# Altium PCB trussy.PcbDoc (part 2 of 3) (continued)
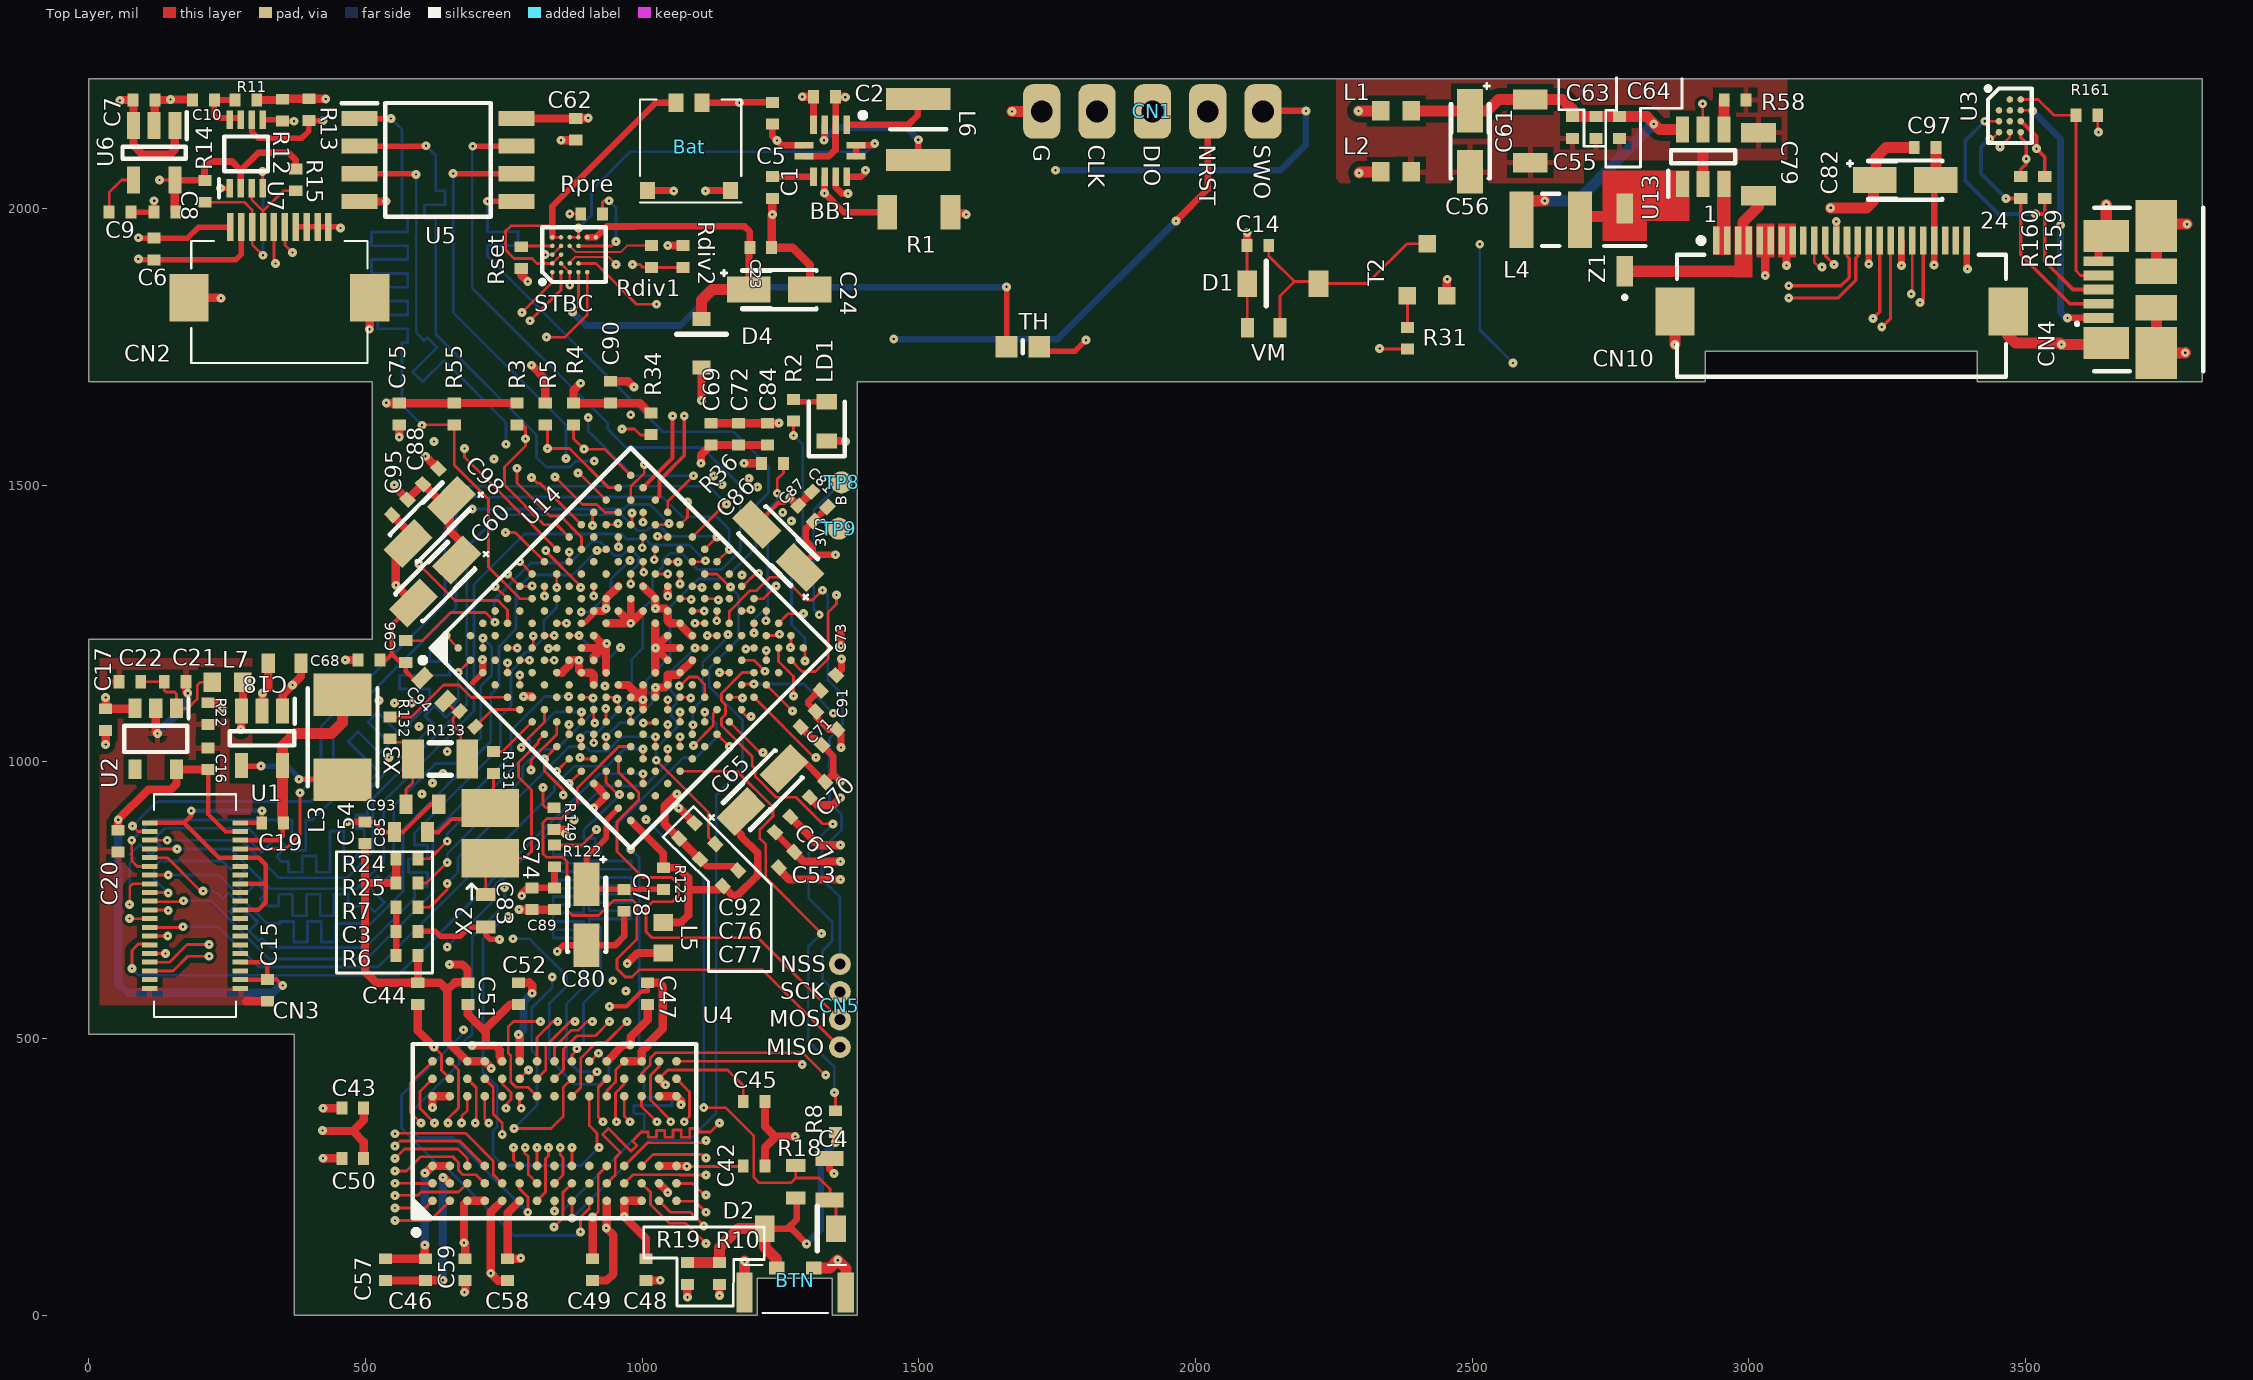
[diagram p0: Top Layer view]
## Nets (pads, with @x,y where several pads share a name; then routed paths per layer and width w, separated by ;. In a path a pad name is that pad's centre, name@x,y a point inside that pad or via, vN(x,y) a via of type N, cw(c..) or ccw(c..) an arc to the next point about the centre after c; other vN are vias at no path point) (continued)
  other v1: 1115.16,217.15
D16: U4.E8 U14.P14 | length 1638.2
  Top Layer w5: U4.E8@747.05,427.17 747.05,418.31 763.17,402.18 763.17,390.05 753.97,380.85 v1(753.97,374.03) ; U14.P14@1246.58,1205.71 1246.58,1181.52 1273.62,1154.48 v1(1273.62,1118.96)
  Internal Signal 2 w5: v1(753.97,374.03) 780.57,347.44 792.32,347.44 797.63,352.74 808.23,363.35 839.64,331.94 850.25,342.55 818.84,373.96 780.02,412.78 790.62,423.39 829.45,384.56 868.27,345.74 878.88,356.35 840.05,395.17 804.26,430.96 814.87,441.57 850.66,405.78 856.3,411.42 900,455.12 900,474.81 931.46,506.27 1011.19,506.27 1039.06,534.14 1062.6,557.68 1196.85,691.93 1196.85,1042.19 v1(1273.62,1118.96)
D17: U4.D7 U14.N14 | length 1699.4
  Top Layer w5: U4.D7@715.55,395.67 715.55,354.67 v1(722.78,347.44) ; U14.N14@1224.31,1227.98 1245.65,1227.98 v1(1248.03,1230.36)
  Internal Signal 2 w5: v1(722.78,347.44) 723.35,346.87 723.35,303.23 738.93,287.65 742.13,287.65 749.63,287.65 764.63,287.65 764.63,260 779.63,260 779.63,287.65 794.63,287.65 794.63,260 809.63,260 809.63,287.65 824.63,287.65 831.69,287.65 1078.99,287.65 1091.17,299.83 1130.54,299.83 1179.13,348.43 1179.13,515.75 1279.53,616.14 1279.53,1042.16 1303.48,1066.11 1303.48,1139.43 1275.86,1167.06 1275.86,1191.44 1286.06,1201.64 1286.06,1219.85 1275.55,1230.36 v1(1248.03,1230.36)
D18: U4.D8 U14.P15 | length 1704.9
  Top Layer w5: U4.D8@715.55,427.17 730.93,411.79 730.93,363.77 747.08,347.61 v1(747.08,326.79) ; v1(1267.78,1206.75) 1268.08,1206.75 1268.85,1207.52 U14.P15@1268.85,1227.98
  Internal Signal 2 w5: v1(747.08,326.79) 751.93,321.94 1088.67,321.94 1161.56,394.83 1161.56,535.58 1253.94,627.95 1253.94,913.39 1253.94,913.84 1235.39,913.84 1235.39,928.84 1253.94,928.84 1269.53,928.84 1269.53,943.84 1253.94,943.84 1235.39,943.84 1235.39,958.84 1253.94,958.84 1269.53,958.84 1269.53,973.84 1253.94,973.84 1235.39,973.84 1235.39,988.84 1253.94,988.84 1269.53,988.84 1269.53,1003.84 1253.94,1003.84 1235.39,1003.84 1235.39,1018.84 1253.94,1018.84 1253.94,1033.84 1253.94,1041.34 1289.12,1076.52 1289.12,1126.97 1258.86,1157.23 1258.86,1196.36 1267.78,1205.28 v1(1267.78,1206.75)
D19: U4.B9 U14.N15 | length 1881.1
  Top Layer w5: v1(649.35,347.44) 649.35,355.06 668.31,374.02 668.31,442.91 U4.B9@652.56,458.66 ; U14.N15@1246.58,1250.25 1264.05,1267.72 v1(1291.34,1267.72)
  Internal Signal 2 w5: v1(649.35,347.44) 649.35,324.83 758.62,215.55 1009.84,215.55 1023.74,201.65 1058.93,201.65 1092.52,235.24 1127.95,235.24 1225.89,333.17 1225.89,490.65 1314.96,579.72 1314.96,677 1308.42,683.54 1308.42,712.23 1314.96,718.77 1314.96,959.65 1329.48,974.16 1329.48,1014.29 1329.72,1014.54 1329.72,1229.33 v1(1291.34,1267.72)
D20: U4.C8 U14.M15 | length 1744
  Top Layer w5: U4.C8@684.06,427.17 700.18,411.04 700.18,349.32 v1(698.3,347.44) ; v1(1223.48,1254.98) 1224.31,1255.81 U14.M15@1224.31,1272.52
  Internal Signal 2 w5: v1(698.3,347.44) 698.66,347.08 698.66,301.18 749.84,250 1083.65,250 1102.35,268.7 1113.19,268.7 1132.87,268.7 1201.77,337.6 1201.77,499.02 1297.24,594.49 1297.24,1026.67 1316.93,1046.35 1316.93,1209.65 1271.59,1254.98 v1(1223.48,1254.98)
D21: U4.A9 U14.E12 | length 1671.6
  Top Layer w5: v1(600.39,347.44) 580.71,367.13 580.71,418.31 U4.A9@621.06,458.66 ; U14.E12@1001.6,1361.61 1001.6,1343.87 v1(1002.95,1342.52)
  Internal Signal 1 w5: v1(600.39,347.44) 586.61,361.22 586.61,504.92 602.36,520.67 602.36,528.17 602.36,543.17 614.87,543.17 614.87,558.17 602.36,558.17 581.85,558.17 581.85,573.17 602.36,573.17 614.87,573.17 614.87,588.17 602.36,588.17 581.85,588.17 581.85,603.17 602.36,603.17 614.87,603.17 614.87,618.17 602.36,618.17 602.36,629.92 v1(602.36,941.93)
  Internal Signal 2 w5: v1(602.36,941.93) 640.75,941.93 666.34,967.52 666.34,1137.35 685.04,1156.05 685.04,1243.11 775.41,1333.48 911.6,1333.48 939.96,1305.12 985.24,1305.12 1002.95,1322.83 v1(1002.95,1342.52)
D22: U4.C7 U14.E13 | length 1831.5
  Top Layer w5: v1(673.82,347.44) 673.82,359.85 684.06,370.08 U4.C7@684.06,395.67 ; v1(1021.7,1365.22) 1022.64,1366.16 1022.64,1382.64 U14.E13@1023.87,1383.88
  Internal Signal 1 w5: v1(639.8,979.3) 678.15,940.95 678.15,557.09 652.56,531.5 652.56,524.61 652.56,460.63 652.56,451.21 614.33,451.21 614.33,436.21 652.56,436.21 702.56,436.21 702.56,421.21 652.56,421.21 614.33,421.21 614.33,406.21 652.56,406.21 702.56,406.21 702.56,391.21 652.56,391.21 652.56,376.21 652.56,368.71 v1(673.82,347.44)
  Internal Signal 2 w5: v1(639.8,979.3) 628.94,990.16 628.94,1246.06 762.8,1379.92 797.24,1379.92 828.68,1348.49 984.31,1348.49 993.39,1357.57 1001.04,1365.22 v1(1021.7,1365.22)
D23: U4.A8 U14.D13 | length 1646.3
  Top Layer w5: U4.A8@621.06,427.17 598.43,404.53 598.43,373.89 v1(624.87,347.44) ; v1(1000.05,1386.88) 1000.98,1387.81 1000.98,1405.53 U14.D13@1001.6,1406.15
  Internal Signal 1 w5: v1(621.09,961.66) 624.87,957.88 624.87,678.15 624.87,668.41 612.36,668.41 612.36,653.41 624.87,653.41 624.87,638.41 624.87,630.91 624.87,625.3 624.87,610.3 642.56,610.3 642.56,595.3 624.87,595.3 624.87,580.3 642.56,580.3 642.56,565.3 624.87,565.3 624.87,550.3 642.56,550.3 642.56,535.3 624.87,535.3 624.87,520.3 624.87,512.8 624.87,510.7 604.33,490.16 604.33,367.98 v1(624.87,347.44)
  Internal Signal 2 w5: v1(621.09,961.66) 621.09,965.39 612.2,974.28 612.2,1258.86 750.8,1397.46 925.39,1397.46 949.63,1373.22 949.98,1373.57 950.64,1372.9 964.44,1372.9 978.41,1386.88 v1(1000.05,1386.88)
D24: U4.A2 U14.E14 | length 1741.8
  Top Layer w5: v1(553.15,238.33) 586.47,238.33 586.61,238.19 U4.A2@621.06,238.19 ; v1@1028.54,1407.48 v1(1027.56,1407.48) 1028.89,1406.15 U14.E14@1046.14,1406.15
  Internal Signal 1 w5: v1(553.15,238.33) 548.32,243.15 520.38,243.15 489.17,274.36 489.17,855.31 500.89,867.04 500.89,915.45 495.08,921.26 495.08,1017.72 v1(583.66,1106.3)
  Internal Signal 2 w5: v1(583.66,1106.3) 593.5,1116.14 593.5,1277.56 766.55,1450.61 958.72,1450.61 993,1416.34 1018.7,1416.34 v1(1027.56,1407.48)
D25: U4.C3 U14.D14 | length 1860.2
  Top Layer w5: v1(553.15,283.04) 570.3,300.2 667.32,300.2 684.06,283.46 U4.C3@684.06,269.68 ; U14.D14@1023.87,1428.42 1046.14,1428.42 v1(1048.52,1430.8)
  Internal Signal 1 w5: v1(542.32,1007.87) 531.5,997.05 531.5,290.72 537.57,284.65 551.54,284.65 v1(553.15,283.04)
  Internal Signal 2 w5: v1(542.32,1007.87) 506.89,1043.31 506.89,1121.06 537.17,1151.34 537.17,1327.52 666.31,1456.67 v1(692.94,1456.67)
  Bottom Layer w5: v1(692.94,1456.67) 966.92,1456.67 975.29,1465.04 1014.28,1465.04 v1(1048.52,1430.8)
D26: U4.A1 U14.C14 | length 1863.1
  Top Layer w5: v1(553.15,193.62) 607.99,193.62 U4.A1@621.06,206.69 ; v1(1001.6,1432.95) 1001.6,1440.95 U14.C14@1001.6,1450.69
  Internal Signal 1 w5: v1(524.61,1111.06) 452.02,1038.48 452.02,252.83 511.24,193.62 v1(553.15,193.62)
  Internal Signal 2 w5: v1(524.61,1111.06) 555.94,1142.4 555.94,1293.12 751.29,1488.46 967.25,1488.46 1002.95,1452.76 1002.95,1434.3 v1(1001.6,1432.95)
D27: U4.C2 U14.C13 | length 1828.9
  Top Layer w5: v1(553.15,215.97) 553.87,216.69 594.65,216.69 600.39,222.44 668.31,222.44 U4.C2@684.06,238.19 ; U14.C13@979.33,1428.42 981.71,1430.8 v1(981.71,1449.54)
  Internal Signal 1 w5: v1(552.19,1106.35) 552.19,1104.03 477.36,1029.2 477.36,920.28 486.22,911.42 486.22,872.05 472.44,858.27 472.44,261.75 511.79,222.41 546.72,222.41 v1(553.15,215.97)
  Internal Signal 2 w5: v1(552.19,1106.35) 554.51,1106.35 574.72,1126.57 574.72,1285.34 759.86,1470.47 960.78,1470.47 v1(981.71,1449.54)
D28: U4.B1 U14.D6 | length 1773.4
  Top Layer w5: v1(553.15,171.26) 617.13,171.26 U4.B1@652.56,206.69 ; U14.D6@845.7,1250.25 855.45,1250.25 v1(863.45,1250.25)
  Internal Signal 1 w5: v1(553.15,171.26) 551.54,172.87 502.64,172.87 438.75,236.76 438.75,289.9 438.73,1047.1 518.19,1126.56 565.76,1126.56 571.07,1131.87 581.67,1142.47 607.22,1116.93 617.82,1127.54 592.28,1153.08 587.43,1157.93 598.03,1168.54 602.89,1163.69 628.43,1138.14 639.04,1148.75 613.49,1174.29 619.7,1180.5 716.76,1277.56 778.03,1277.56 805.34,1250.25 v1(863.45,1250.25)
D29: U4.D2 U14.D4 | length 1739.4
  Top Layer w5: v1(553.15,260.69) 573.84,260.69 599.41,286.26 657.73,286.26 667.93,276.05 667.93,261.81 676.18,253.56 700.18,253.56 U4.D2@715.55,238.19 ; U14.D4@801.16,1205.71 803.19,1207.74 v1(803.19,1227.42)
  Internal Signal 1 w5: v1(553.15,260.69) 549.93,263.9 528.98,263.9 512.8,280.08 512.8,287.58 512.8,302.58 521.5,302.58 521.5,317.58 512.8,317.58 506.06,317.58 506.06,332.58 512.8,332.58 521.5,332.58 521.5,347.58 512.8,347.58 506.06,347.58 506.06,362.58 512.8,362.58 521.5,362.58 521.5,377.58 512.8,377.58 506.06,377.58 506.06,392.58 512.8,392.58 521.5,392.58 521.5,407.58 512.8,407.58 506.06,407.58 506.06,422.58 512.8,422.58 521.5,422.58 521.5,437.58 512.8,437.58 506.06,437.58 506.06,452.58 512.8,452.58 521.5,452.58 521.5,467.58 512.8,467.58 506.06,467.58 506.06,482.58 512.8,482.58 521.5,482.58 521.5,497.58 512.8,497.58 506.06,497.58 506.06,512.58 512.8,512.58 521.5,512.58 521.5,527.58 512.8,527.58 506.06,527.58 506.06,542.58 512.8,542.58 521.5,542.58 521.5,557.58 512.8,557.58 506.06,557.58 506.06,572.58 512.8,572.58 521.5,572.58 521.5,587.58 512.8,587.58 506.06,587.58 506.06,602.58 512.8,602.58 521.5,602.58 521.5,617.58 512.8,617.58 512.8,628.94 512.8,1008.37 652.03,1147.61 652.03,1167.59 692.4,1207.95 692.4,1225.7 705.66,1238.95 718.5,1238.95 724.18,1233.27 797.34,1233.27 v1(803.19,1227.42)
D30: U4.D3 U14.E4 | length 1771.5
  Top Layer w5: v1(553.15,305.4) 562.71,314.96 670.28,314.96 U4.D3@715.55,269.68 ; U14.E4@823.43,1183.44 833.18,1183.44 v1(841.18,1183.44)
  Internal Signal 1 w5: v1(553.15,305.4) 553.15,305.84 571.85,324.54 571.85,677.17 571.85,684.11 563.15,684.11 563.15,699.11 571.85,699.11 592.36,699.11 592.36,714.11 571.85,714.11 563.15,714.11 563.15,729.11 571.85,729.11 592.36,729.11 592.36,744.11 571.85,744.11 563.15,744.11 563.15,759.11 571.85,759.11 592.36,759.11 592.36,774.11 571.85,774.11 563.15,774.11 563.15,789.11 571.85,789.11 592.36,789.11 592.36,804.11 571.85,804.11 563.15,804.11 563.15,819.11 571.85,819.11 592.36,819.11 592.36,834.11 571.85,834.11 563.15,834.11 563.15,849.11 571.85,849.11 592.36,849.11 592.36,864.11 571.85,864.11 563.15,864.11 563.15,879.11 571.85,879.11 592.36,879.11 592.36,894.11 571.85,894.11 563.15,894.11 563.15,909.11 571.85,909.11 592.36,909.11 592.36,924.11 571.85,924.11 563.15,924.11 563.15,939.11 571.85,939.11 571.85,954.11 571.85,961.61 571.85,964.83 641.22,1034.2 643.2,1034.2 738.35,1129.35 738.35,1192.09 745.08,1198.82 758.63,1198.82 767.24,1190.21 781.14,1190.21 789.86,1198.94 803.06,1198.94 817.94,1184.06 840.56,1184.06 v1(841.18,1183.44)
D31: U4.E2 U14.D5 | length 1754.1
  Top Layer w5: v1(553.15,327.76) 554.29,328.9 680.94,328.9 730.93,278.92 730.93,254.31 U4.E2@747.05,238.19 U4.E2@749.02,238.19 ; U14.D5@823.43,1227.98 833.18,1227.98 v1(841.18,1227.98)
  Internal Signal 1 w5: v1(553.15,327.76) 553.15,358.27 553.15,363.76 541.49,363.76 541.49,378.76 553.15,378.76 561.85,378.76 561.85,393.76 553.15,393.76 541.49,393.76 541.49,408.76 553.15,408.76 561.85,408.76 561.85,423.76 553.15,423.76 541.49,423.76 541.49,438.76 553.15,438.76 561.85,438.76 561.85,453.76 553.15,453.76 541.49,453.76 541.49,468.76 553.15,468.76 561.85,468.76 561.85,483.76 553.15,483.76 541.49,483.76 541.49,498.76 553.15,498.76 561.85,498.76 561.85,513.76 553.15,513.76 541.49,513.76 541.49,528.76 553.15,528.76 561.85,528.76 561.85,543.76 553.15,543.76 541.49,543.76 541.49,558.76 553.15,558.76 561.85,558.76 561.85,573.76 553.15,573.76 541.49,573.76 541.49,588.76 553.15,588.76 561.85,588.76 561.85,603.76 553.15,603.76 541.49,603.76 541.49,618.76 553.15,618.76 561.85,618.76 561.85,633.76 553.15,633.76 541.49,633.76 541.49,648.76 553.15,648.76 561.85,648.76 561.85,663.76 553.15,663.76 553.15,671.26 553.15,979.33 665.85,1092.03 728.35,1154.53 728.35,1206.69 742.86,1221.21 787.48,1221.21 796.77,1211.92 815.97,1211.92 832.03,1227.98 v1(841.18,1227.98)
DSI_CK_N: CN10.20 U14.H13 | length 2758.2
  Top Layer w5: U14.H13@1090.69,1317.06 1107.13,1317.06 1108.32,1315.87 v1(1108.32,1315.02)
  Top Layer w6: v1(3308.86,1829.92) 3314.96,1836.01 CN10.20@3314.96,1941.93
  Internal Signal 1 w5: v1(1208.47,1496.25) 1221.46,1509.24 1221.46,1703.74 1342.52,1824.8 2963.58,1824.8 2981.47,1806.91 3151.4,1806.91 3161.72,1817.24 3178.96,1834.47 3267.72,1834.47 3273.22,1828.97 3307.92,1828.97 v1(3308.86,1829.92)
  Internal Signal 2 w4: v1(1108.32,1315.02) 1097.44,1325.91 1097.44,1398.42 1129.92,1430.9 1165.82,1430.9 1187.99,1453.07 1187.99,1475.78 v1(1208.47,1496.25)
DSI_CK_P: CN10.19 U14.H12 | length 2763.6
  Top Layer w5: U14.H12@1068.41,1294.79 1087.21,1294.79 v1(1088.64,1293.37) ; v1(3293.31,1845.47) 3295.27,1847.44 CN10.19@3295.27,1941.93
  Internal Signal 1 w5: v1(1192.91,1511.81) 1210.46,1529.35 1210.46,1708.3 1337.96,1835.8 2968.14,1835.8 2986.03,1817.91 3146.85,1817.91 3174.4,1845.47 v1(3293.31,1845.47)
  Internal Signal 2 w4: v1(1088.64,1293.37) 1088.64,1316.33 1084.44,1320.52 1084.44,1403.8 1124.54,1443.9 1160.43,1443.9 1174.99,1458.46 1174.99,1493.89 v1(1192.91,1511.81)
  Internal Signal 2 w5: v1@1087.82,1294.18 v1(1088.64,1293.37)
DSI_D0_N: CN10.17 U14.J13 | length 2659.3
  Top Layer w5: U14.J13@1112.96,1294.79 v1@1133.36,1294.79
  Top Layer w6: v1(3239.97,1785.62) 3255.9,1801.56 CN10.17@3255.9,1941.93
  Internal Signal 1 w5: v1(1269.54,1435.18) 1269.54,1442.96 1307.09,1480.51 1307.09,1729.33 1357.04,1779.28 3192.47,1779.28 3198.82,1785.62 3216.63,1785.62 3217.58,1784.68 3239.02,1784.68 v1(3239.97,1785.62)
  Internal Signal 2 w4: v1(1137.61,1292.41) 1139.76,1294.56 1139.76,1325.79 1238.65,1424.68 1259.03,1424.68 v1(1269.54,1435.18)
DSI_D0_P: CN10.16 U14.J12 | length 2669.9
  Top Layer w5: U14.J12@1090.69,1272.52 1112.09,1272.52 v1(1112.2,1272.64)
  Top Layer w6: v1(3224.41,1801.18) 3236.22,1812.99 CN10.16@3236.22,1941.93
  Internal Signal 1 w5: v1(1253.99,1450.74) 1261.76,1450.74 1296.09,1485.06 1296.09,1733.89 1352.48,1790.28 3187.92,1790.28 3198.82,1801.18 v1(3224.41,1801.18)
  Internal Signal 2 w4: v1(1112.2,1272.64) 1118.61,1279.04 1118.61,1300.28 1126.76,1308.43 1126.76,1331.17 1233.27,1437.68 1240.92,1437.68 v1(1253.99,1450.74)
DSI_D1_N: CN10.14 U14.F13 | length 2671
  Top Layer w5: U14.F13@1046.14,1361.61 1064.57,1361.61 v1(1064.96,1361.22)
  Top Layer w6: v1(3071.85,1838.24) 3161.21,1838.24 3193.01,1870.03 3193.01,1909.5 3196.85,1913.34 CN10.14@3196.85,1941.93
  Internal Signal 1 w5: v1(1144.49,1501.18) 1145.44,1502.12 1145.44,1566.18 1140.75,1570.87 1140.75,1759.84 1275.59,1894.69 2955.71,1894.69 3012.16,1838.24 v1(3071.85,1838.24)
  Internal Signal 2 w3: v1(1064.96,1361.22) 1064.96,1392.77
  Internal Signal 2 w4: 1064.96,1392.77 1064.96,1402.13 1117.13,1454.29 1117.13,1473.81 v1(1144.49,1501.18)
DSI_D1_P: CN10.13 U14.F12 | length 2685.2
  Top Layer w5: U14.F12@1023.87,1339.34 1046.01,1339.34 v1(1046.31,1339.63)
  Top Layer w6: v1(3071.85,1860.24) 3166.24,1860.24 3181.01,1875 3181.01,1909.5 3177.16,1913.34 CN10.13@3177.16,1941.93
  Internal Signal 1 w5: v1(1128.94,1516.73) 1129.75,1517.54 1129.75,1764.4 1234.37,1869.02 1271.03,1905.69 2960.26,1905.69 3005.71,1860.24 v1(3071.85,1860.24)
  Internal Signal 2 w3: v1(1046.31,1339.63) 1046.4,1339.72 1046.4,1375.78 1046.31,1375.87 1046.31,1401.86
  Internal Signal 2 w4: 1046.31,1401.86 1104.13,1459.68 1104.13,1491.92 v1(1128.94,1516.73)
DSI_TE: CN10.10 U14.P7 | length 3692.2
  Top Layer w5: U14.P7@1090.69,1049.81 1090.69,1066.08 v1(1091.59,1066.98) ; CN10.10@3118.11,1941.93 3118.11,1902.56 3126.88,1893.79 v1(3132.04,1893.79)
  Internal Signal 1 w5: v1(979.38,1627.05) 958.66,1647.76 958.66,1722.44 1005.91,1769.69 1005.91,2025.59 1066.68,2086.37 2970.72,2086.37 3132.04,1925.04 v1(3132.04,1893.79)
  Internal Signal 2 w5: v1(979.38,1627.05) 979.38,1623.08 979.33,1623.03 1029.53,1572.83 1238.19,1572.83 1308.07,1502.95 1308.07,1380.91 1266.28,1339.12 1231.11,1339.12 1206.02,1314.03 1184.11,1314.03 1155.12,1285.04 v1(1155.12,1229.83)
  Bottom Layer w5: v1(1091.59,1066.98) 1091.59,1094.54 1109.25,1112.2 1109.25,1179.73 1155.12,1225.6 v1(1155.12,1229.83)
DSI_VDD12: C81.1 C86.1 C87.2 U14.G13 U14.K12 | length 671.6
  Top Layer w5: v1(1068.41,1321.59) 1068.41,1329.59 U14.G13@1068.41,1339.34 ; v1(1095.21,1250.25) 1103.21,1250.25 U14.K12@1112.96,1250.25
  Top Layer w12: C86.1@1285.04,1350.79 1308.26,1374.02 ; C81.1@1334.91,1460.37 C87.2@1310.06,1435.52 ; v1(1349.41,1374.02) 1308.26,1374.02 ; 1295.28,1420.24 C87.2@1310.06,1435.02 C87.2@1310.06,1435.52 ; 1295.28,1420.24 1295.28,1399.61 1308.26,1386.62 1308.26,1374.02 ; 1295.28,1420.24 1295.28,1420.74 C87.2@1310.06,1435.52
  Internal Signal 1 w5: v1(1068.41,1321.59) 1068.41,1340.07 1119.09,1390.75 1128.71,1390.75 1128.81,1390.65 1142.35,1390.65 1151.08,1399.38 1180.35,1399.38 1207.68,1372.05 1285.43,1372.05 1304.13,1390.75 1332.68,1390.75 v1(1349.41,1374.02)
  Internal Signal 2 w5: v1(1068.41,1321.59) 1068.41,1277.05 v1(1095.21,1250.25)
GND: Bat.2 Bat.3 Bat.4 BB1.2 BB1.6 BB1.9 BTN.2 BTN.3 BTN.4 C1.2 C2.2 C3.2 C4.1 C5.2 C6.1 C7.1 C8.1 C9.1 C10.1 C17.2 C18.1 C19.1 C23.2 C24.2 C42.2 C43.2 C44.2 C45.2 C46.2 C47.2 C48.2 C49.2 C50.2 C51.2 C52.2 C53.2 C54.2 C57.2 C58.2 C59.2 C60.2 C62.2 C65.2 C67.2 C68.2 C69.2 C70.2 C71.2 C72.2 C73.2 C74.2 C75.2 C76.2 C77.1 C78.1 C80.2 C81.2 C82.2 C83.2 C84.2 C85.2 C86.2 C87.1 C88.2 C89.2 C90.2 C91.2 C92.2 C93.2 C94.2 C95.2 C96.2 C97.1 C98.2 CN1.5 CN2.2 CN2.7 CN2.8 CN2.9 CN2.10 CN2.11 CN2.12 CN3.20 CN3.26 CN3.32 CN3.39 CN3.40 CN4.5 CN4.6 CN4.7 CN4.8 CN4.9 CN4.10 CN4.11 CN10.7 CN10.8 CN10.12 CN10.15 CN10.18 CN10.21 CN10.24 CN10.25 CN10.26 L2.1 R5.1 R19.2 R22.2 R122.1 Rdiv2.1 Rpre.1 Rset.2 STBC.A3 STBC.B2 STBC.B4 STBC.C1 T2.2 TH.2 U1.2 U3.D2 U4.A3 U4.B3 U4.B8 U4.C1 U4.D1 U4.E9 U4.F1 U4.L3 U4.L9 U4.M1 U4.N1 U4.P3 U4.P8 U4.R3 U5.4 U6.2 U7.1 U14.F2 U14.F6 U14.F7 U14.F8 U14.F9 U14.F10 U14.G6 U14.G10 U14.G12 U14.H6 U14.H10 U14.J6 U14.J10 U14.K6 U14.K7 U14.K8 U14.K9 U14.K10 U14.L6 U14.M1 U14.N1 | length 8834.9
  Top Layer w4: v1(824.84,1916.43) 824.94,1916.34 STBC.A3@837.6,1916.34 STBC.B4@853.35,1932.09 ; STBC.B2@853.35,1900.59 STBC.C1@869.09,1884.84 v1(869.09,1861.22)
  Top Layer w5: v1(624.02,484.25) 637.19,471.08 637.19,442.54 U4.B8@652.56,427.17 ; v1(869.09,1990.16) Rpre.1@889.09,1990.15 ; v1(910.43,177.17) 920.65,187.38 920.65,254.31 U4.L3@936.02,269.68 ; U4.P8@1030.51,427.17 1046.26,442.91 1154.53,442.91 1182.7,414.74 C45.2@1182.7,385.83 ; v1(1080.71,268.98) 1080.86,268.83 1181.84,268.83 C42.2@1182.7,269.68 ; v1(3453.74,2111.22) 3471.46,2128.94 U3.D2@3471.46,2137.8
  Top Layer w8: CN3.39@110.04,889.76 172.24,889.76 ; v1(185.04,911.42) 185.04,902.56 172.24,889.76 ; CN3.20@273.82,732.28 306.1,732.28 319.88,746.06 319.88,779.53 ; CN3.26@273.82,779.53 319.88,779.53 ; CN3.40@273.82,889.76 C19.1@312.62,889.76 312.62,911.05 v1(312.99,911.42) ; C54.2@499.02,891.36 515.13,891.36 533.46,873.04 C85.2@552.66,873.04 567.92,873.04 618.1,923.22 C93.2@632.38,923.22 ; C68.2@526.2,1184.06 536.42,1184.06 547.24,1194.88 ; C60.2@587.01,1286.81 547.24,1247.05 547.24,1194.88 ; C94.2@602.58,1151.36 593.29,1151.36 590.55,1148.62 587.6,1148.62 572.83,1163.39 C96.2@572.83,1179.5 562.62,1179.5 547.24,1194.88 ; C86.2@1207.09,1428.74 1246.09,1467.74 1256.84,1467.74 v1(1266.6,1477.5) ; 172.24,889.76 235.24,826.77 CN3.32@273.82,826.77 307.09,826.77 319.88,813.98 319.88,779.53
  Top Layer w10: C9.1@76.16,1993.11 C8.1@117.74,1993.11 118.12,1993.49 v1(118.12,2013.88) ; v1(89.57,1908.46) 90.92,1907.11 C6.1@118.11,1907.11 265.38,1907.11 275.59,1917.32 CN2.2@275.59,1966.54 ; v1(238.19,2036.42) U7.1@254.92,2036.42 ; CN2.7@374.02,1966.54 CN2.8@393.7,1966.54 CN2.9@413.39,1966.54 CN2.10@433.07,1966.54 452.76,1966.54 v1(454.72,1964.57) ; C3.2@594.8,693.4 626.48,693.4 634.84,685.04 671.26,685.04 687.5,701.28 C83.2@717.51,701.28 717.51,687.01 725.36,679.17 v1(742.16,679.17) ; TH.2@1717.52,1750 1725.39,1742.13 1782.48,1742.13 v1(1802.25,1761.9)
  Top Layer w12: v1(467.52,891.73) 467.89,891.36 C54.2@499.02,891.36 ; C46.2@606.3,101.99 C46.2@607.28,102.98 ; v1(782.52,757.91) 782.52,762.83 791.95,772.27 C74.2@801.18,772.27 C89.2@841.54,772.27 R122.1@841.54,810.35 R122.1@841.48,810.41 ; v1(846.46,657.48) 857.28,668.31 950.79,668.31 967.52,685.04 C78.1@967.52,729.94 ; Bat.3@1009.84,2032.36 1056.22,2032.36 v1(1057.09,2031.5) ; C76.2@1104.31,823.8 1117.09,811.02 1165.88,811.02 C77.1@1173.49,803.41 ; Bat.2@1108.27,2190.83 1176.06,2190.83 v1(1176.18,2190.95) 1176.8,2191.56 C5.2@1235.24,2191.56 ; v1(1114.17,2031.5) 1115.04,2032.36 Bat.4@1159.45,2032.36 ; C53.2@1247.03,806.12 C53.2@1247.03,809.04 ; C65.2@1256.49,987.79 1272.64,1003.94 1289.37,1003.94 1329.71,963.6 C70.2@1330.73,963.6 1344.98,977.85 ; C71.2@1286.4,1062.97 1307.05,1042.32 1312.96,1042.32 C91.2@1324.78,1030.49 1344.98,1010.3 1344.98,977.85 ; BB1.6@1292.57,2094.33 1337.44,2094.33 1349.41,2106.3 1349.41,2151.17 BB1.2@1349.57,2151.33 1349.57,2201.24 C2.2@1349.04,2201.77 ; C4.1@1338.56,283.1 1338.56,263.8 v1(1346.46,255.91) ; BB1.9@1349.57,2057.33 1349.57,2038.23 1360.92,2026.87 v1(1371.8,2026.87) ; C73.2@1350.41,1156.51 1360.24,1166.34 v1(1360.24,1186.02) ; v1(1358.27,964.57) 1344.98,977.85 ; CN10.12@3157.48,1941.93 3157.48,1976.32 v1(3157.63,1976.47) ; v1(3216.54,1899.61) CN10.15@3216.53,1941.93 ; v1(3275.59,1896.65) CN10.18@3275.59,1941.93 ; v1(3334.65,1897.64) CN10.21@3334.64,1941.93 3334.64,2048.23 C82.2@3337.97,2051.55 ; CN10.24@3393.7,1941.93 3393.7,1891.73 v1(3394.69,1890.75)
  Top Layer w13.78: v1(912.52,916.18) U14.N1@934.79,938.46 ; v1(979.33,1250.25) U14.F10@979.33,1294.79 ; v1(1023.87,1205.71) U14.K9@1046.14,1183.44 ; 1046.14,1307.32 U14.G12@1046.14,1317.06
  Top Layer w15: v1(30.51,1031.5) C17.2@30.51,1056.47 ; U6.2@118.11,2149.61 119.46,2150.96 C7.1@119.46,2195.87 146.65,2195.87 v1(147.64,2196.85) 186.64,2196.85 C10.1@187.62,2195.87 ; CN2.11@181.1,1838.58 238.19,1838.58 v1(239.17,1837.6) ; R22.2@215.56,1106.61 230.99,1106.61 v1(241.14,1096.46) ; U1.2@312.99,1091.54 311.02,1093.5 313.99,1096.47 v1(313.99,1124.07) 324.31,1134.39 C18.1@324.31,1178.14 ; v1(422.24,333.66) 423.23,332.68 477.36,332.68 ; U5.4@489.17,2012.6 537.2,2012.6 v1(537.4,2012.8) ; C50.2@496.68,283.46 496.68,313.36 477.36,332.68 ; C43.2@496.68,374.02 496.68,351.99 477.36,332.68 ; v1(506.89,1781.5) 507.87,1782.48 CN2.12@507.87,1838.58 ; C57.2@536.42,101.99 C46.2@606.3,101.99 ; C95.2@548.21,1445.85 577.17,1416.89 C98.2@577.17,1394.1 571.26,1394.1 554.92,1377.76 v1(554.92,1318.9) C60.2@587.01,1286.81 ; v1(561.02,1586.61) C75.2@561.02,1608.64 ; C44.2@594.49,561.39 594.49,513.78 v1(624.02,484.25) ; C46.2@607.28,102.98 v1(607.28,126.97) ; v1(607.28,256.89) 608.27,256.89 U4.A3@621.06,269.68 U4.B3@652.56,269.68 ; v1(608.3,1552.24) 623.12,1537.42 C88.2@626.99,1537.42 ; C59.2@680.12,101.99 680.12,128.94 v1(678.15,130.91) 678.15,200.79 U4.C1@684.06,206.69 U4.D1@715.55,206.69 ; C51.2@685.04,561.39 685.04,543.31 717.52,510.83 ; v1(692.47,487.21) 717.52,487.21 ; U4.E9@747.05,458.66 743.84,458.66 743.84,466.95 742.87,467.91 742.87,479.04 734.7,487.21 717.52,487.21 ; C52.2@776.57,561.39 761.2,561.39 717.52,517.72 717.52,510.83 ; U4.F1@778.54,206.69 756.89,185.04 C58.2@756.89,101.99 779.16,101.99 v1(780.51,103.35) ; Rset.2@781.49,1891.42 781.49,1879.93 v1(793.31,1868.11) ; v1(785.47,1118.16) 799.62,1118.16 U14.F2@801.16,1116.63 ; v1(800.24,1716.62) 824.81,1692.05 R5.1@824.81,1648.31 ; v1(853.35,2123.03) 853.72,2123.4 C62.2@879.92,2123.4 ; U14.F6@890.25,1205.71 928.15,1205.71 912.52,1190.08 U14.G6@912.52,1183.44 ; C49.2@910.43,101.99 v1(910.43,177.17) ; U14.M1@912.52,960.73 U14.N1@934.79,938.46 ; U14.F7@912.52,1227.98 926.91,1213.58 v1(936.02,1213.58) 934.79,1212.35 U14.H6@934.79,1161.17 ; U14.F8@934.79,1250.25 v1(979.33,1250.25) ; U4.L9@936.02,458.66 965.58,488.21 v1(978.39,488.21) 979.33,489.15 979.33,502.95 1009.84,533.46 C47.2@1009.84,561.39 ; C90.2@942.91,1687.62 974.78,1687.62 v1(985.24,1677.17) ; U14.J6@957.06,1138.9 974.8,1138.9 v1@997.08,1116.62 ; U14.F9@957.06,1272.52 v1(979.33,1250.25) ; U14.K6@979.33,1116.62 v1@997.08,1116.62 ; U4.N1@999.02,206.69 U4.M1@967.52,206.69 967.52,178.21 v1(967.57,178.16) 1006.89,138.84 C48.2@1006.89,101.99 ; U14.L6@1001.6,1094.35 v1(1001.6,1112.1) ; U14.K7@1001.6,1138.89 v1(1001.6,1112.1) ; U14.G10@1001.6,1272.52 v1(979.33,1250.25) ; U14.K8@1023.87,1161.17 v1(1023.87,1205.71) ; U14.H10@1023.87,1250.25 v1(1023.87,1205.71) ; U4.P3@1030.51,269.68 U4.R3@1062.01,269.68 1080,269.68 v1(1080.71,268.98) ; U4.P8@1030.51,427.17 1030.83,427.17 1041.63,416.36 v1(1042.37,416.36) ; U14.J10@1046.14,1227.98 v1(1023.87,1205.71) ; v1(1046.14,1299.32) v1@1046.14,1307.32 ; v1(1046.26,1933.08) 1073.49,1933.08 Rdiv2.1@1073.81,1932.76 ; v1(1063.04,941.98) 1062.59,941.98 1040.35,919.74 1040.35,887.76 C92.2@1066.91,861.2 C76.2@1104.31,823.8 ; U14.K10@1068.42,1205.71 v1(1023.87,1205.71) ; v1(1081.69,32.48) R19.2@1081.69,55.79 ; C69.2@1124.02,1611.83 C72.2@1174.21,1611.83 C84.2@1226.38,1611.83 1246.66,1611.83 v1(1247.11,1612.28) ; C86.2@1207.09,1428.74 1223.43,1412.4 C86.2@1233.27,1412.4 ; C1.2@1235.24,2018.09 v1(1235.24,1988.87) 1233.88,1987.52 C23.2@1233.88,1929.13 1271.65,1929.13 1303.15,1897.64 C24.2@1303.15,1853.35 ; C53.2@1247.03,806.12 1265.75,787.4 v1(1358.27,787.4) ; v1(1266.6,1477.5) 1281.23,1462.86 C87.1@1282.22,1462.86 1307.07,1487.71 C81.2@1307.07,1488.21 ; C67.2@1267.73,900.61 1318.93,849.41 v1(1358.27,849.41) ; C2.2@1349.04,2201.77 1366.14,2201.77 v1(1367.13,2200.79) ; T2.2@2453.74,1842.36 2453.74,1871.06 v1(2454.72,1872.05) ; v1(3067.91,1896.65) 3067.91,1944.88 ; CN4.5@3631.5,1904.53 3631.5,1935.73 CN4.6@3645.67,1949.9 ; 717.52,487.21 717.52,510.83 ; v1@997.08,1116.62 v1(1001.6,1112.1)
  Top Layer w20: BTN.3@1185.04,40.87 v1(1185.04,97.44) ; BTN.2@1310.04,85.16 1339.09,85.16 v1(1353.35,99.41) 1368.11,84.65 BTN.4@1368.11,40.87 ; v1(1668.31,2175.2) CN1.5@1722.05,2175.2 ; v1(2295.28,2063.98) 2297.24,2065.95 L2.1@2334.65,2065.95 ; v1(2866.14,1753.94) CN10.25@2866.14,1813.98 ; C82.2@3337.97,2051.55 C97.1@3337.97,2110.24 ; CN10.26@3468.5,1813.98 3468.5,1769.69 3481.3,1756.89 3562.01,1756.89 v1(3564.96,1753.94) 3642.82,1753.94 CN4.7@3645.67,1756.79 ; CN4.6@3645.67,1949.9 v1(3645.67,2006.89) ; CN4.8@3736.22,1820.37 CN4.10@3736.22,1738.68 3787.89,1738.68 v1(3788.39,1739.17) ; CN4.9@3736.22,1886.32 CN4.11@3736.22,1968.01 3739.67,1971.46 v1(3791.34,1971.46)
  Bottom Layer w8: v1(185.04,911.42) v1(312.99,911.42)
  Bottom Layer w15: v1(607.28,126.97) v1(607.28,256.89)
  other v1: 596.7,1063.6
HREF: CN3.15 U14.N4 | length 1108
  Top Layer w5: CN3.15@110.04,700.79 169.27,700.79 v1(170.28,701.81) ; U14.N4@1001.6,1005.27 1001.6,1015.01 v1(1001.6,1023.01)
  Bottom Layer w5: v1(170.28,701.81) 234.22,701.81 307.09,628.94 522.64,628.94 841.33,947.63 841.33,956 877.48,992.15 937.67,992.15 968.53,1023.01 v1(1001.6,1023.01)
I2C1_SCL: R13.1 U7.6 U14.A7 | length 1372.2
  Top Layer w5: v1(778.89,1361.61) U14.A7@801.16,1339.34
  Top Layer w10: U7.6@294.29,2160.43 294.29,2138.78 306.1,2126.97 384.84,2126.97 397.64,2139.77 R13.1@397.64,2158.77 422.92,2158.77 v1(423.23,2158.46)
  Internal Signal 1 w5: v1(423.23,2158.46) 423.23,2079.72 288.39,1944.88 288.39,1891.73 335.63,1844.49 514.76,1844.49 710.63,1648.62 710.63,1429.87 v1(778.89,1361.61)
I2C1_SDA: R12.1 U7.5 U14.B4 | length 1359.8
  Top Layer w5: v1(596.46,1357.28) 596.46,1356.3 661.42,1291.34 740.16,1291.34 742.23,1289.27 742.23,1288.83 756.62,1274.44 U14.B4@756.62,1250.25
  Top Layer w10: U7.5@313.98,2160.43 347.76,2160.43 R12.1@350.4,2157.79 370.88,2157.79 v1(371.08,2157.59)
  Internal Signal 1 w5: v1(371.08,2157.59) 372.05,2156.62 372.05,2076.77 258.86,1963.58 258.86,1873.03 375,1756.89 536.42,1756.89 583.66,1709.65 583.66,1370.08 v1(596.46,1357.28)
K: CN10.1 CN10.2 U13.3